# KiCad board cda-pcb.kicad_pcb (continued)
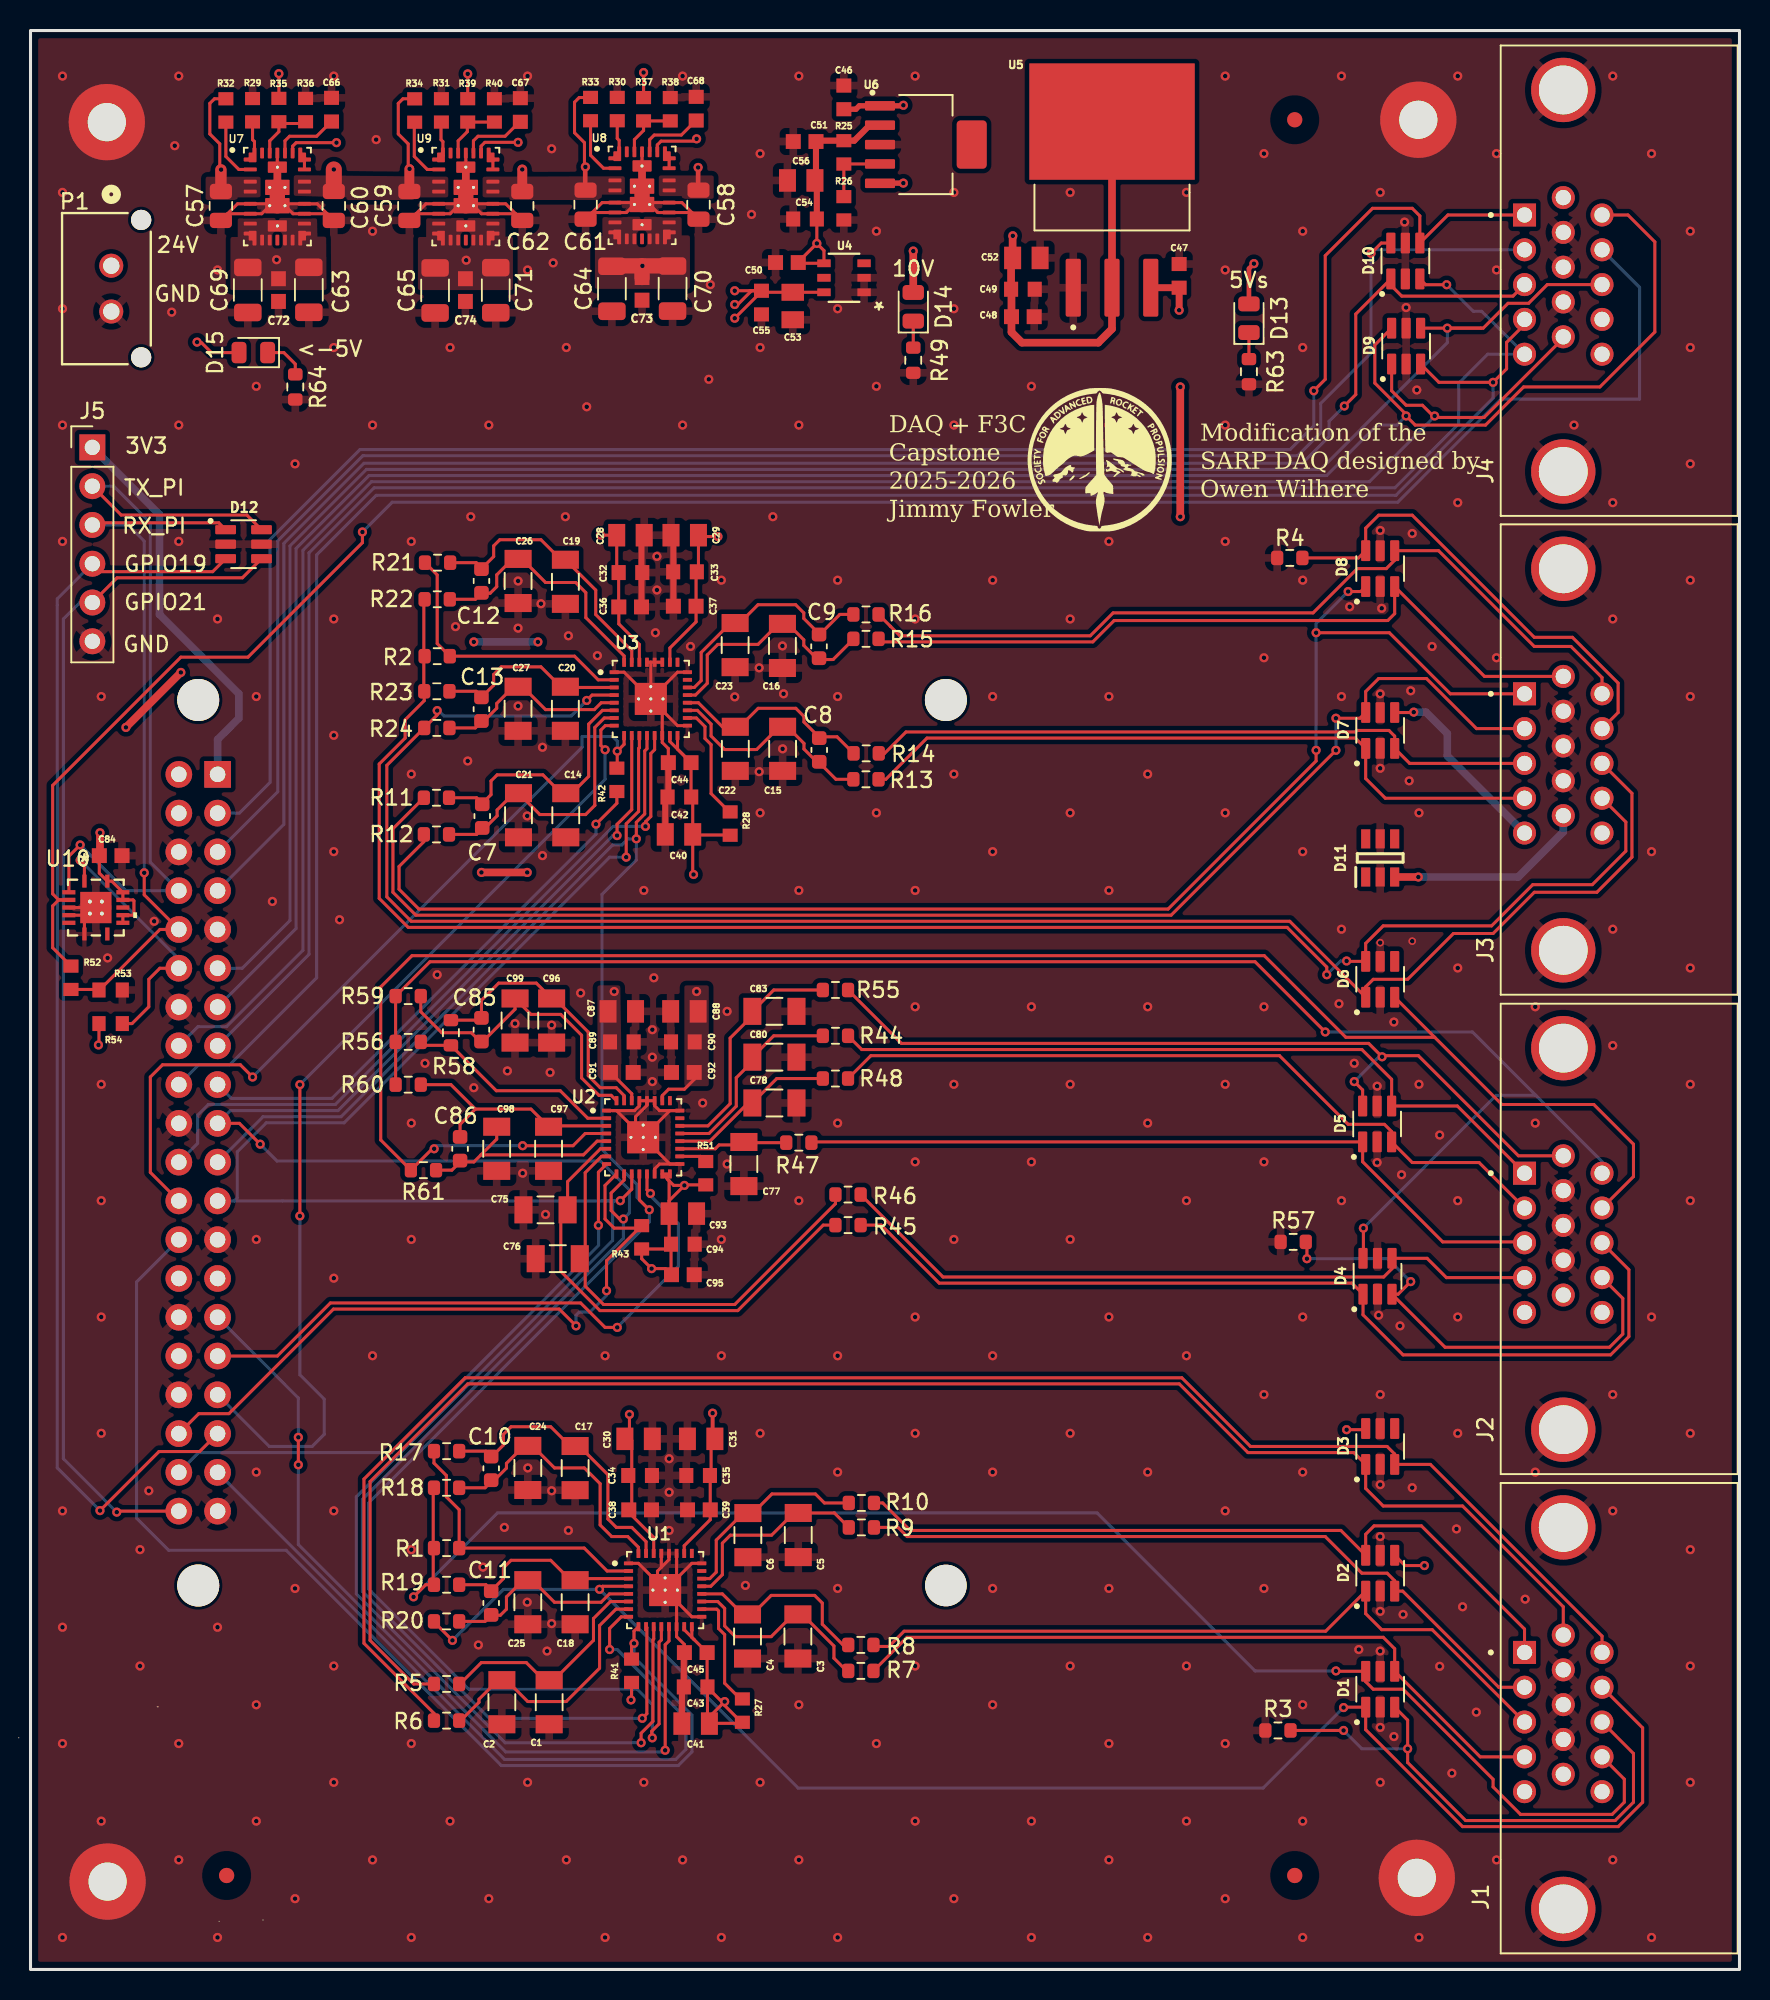
[diagram p0: board, top side]
## Routing (per net, layer and track width the routed paths; a pad name or vN(x,y) marks a point on that pad's centre or on a via; arc(x,y) is an arc through that point) (continued)
/RTD3_L3: length 31.3
  Top w0.2: v1(83.65,46.56) 83.65,47.53 83.55,47.63 R57.1 ; J2.14 104.35,43.96 104.35,41.62 103.49,40.76 92.7,40.76 D4.3 89.63,44.23 v1(90.45,45.06)
  Bottom w0.2: v1(83.65,46.56) 88.95,46.56 v1(90.45,45.06)
/RX_PI: length 47.9
  Top w0.2: J5.3 4.19,94.76 12.34,94.76 D12.1 ; v1(7.45,71.83) 7.45,70.39 RP1.10 8.48,68.12 4.55,64.19 4.45,64.19 ; R52.1 4.45,64.19 ; 4.45,64.19 R53.1
  Bottom w0.2: v1(7.45,71.83) 7.45,93.56 6.39,94.62 J5.3
/SCLK: length 138.9
  Top w0.2: 40.84,22.44 40.84,21.65 40.79,21.6 40.79,16.25 40.02,15.47 v1(40.02,14.85) ; U2.11 39.4,51.11 v1(38.65,50.36) ; v1(39.04,72.86) 39.04,75.04 39.85,75.85 39.85,79.98 39.9,80.03 U3.11
  Bottom w0.2: v1(40.02,14.85) 31.1,14.85 21.35,24.6 21.35,30.96 38.15,47.76 38.15,50.34 ; 38.64,50.34 13.35,50.34 ; 38.64,50.34 38.15,50.34 ; 38.64,50.34 v1(38.65,50.36) ; 37.44,50.34 38.15,50.34 ; 13.35,50.34 13.55,50.54 13.55,53.56 15.45,55.46 20.55,55.46 37.95,72.86 v1(39.04,72.86) ; 13.35,50.34 RP1.23 12.26,51.16
/START_SYNC1: length 64.9
  Top w0.2: v1(17.65,57.96) v1(17.65,49.36) ; v1(37.66,79.89) 37.38,80.16 37.38,81.18 37.67,81.47 U3.8
  Bottom w0.2: v1(17.65,57.96) 37.66,77.96 v1(37.66,79.89) ; RP1.33 12.27,37.64 15.65,34.26 18.45,34.26 19.25,35.06 19.25,37.36 17.65,38.96 v1(17.65,49.36)
/START_SYNC2: length 50.6
  Top w0.2: v1(37.95,20.96) 37.95,22.34 38.71,23.09 39.19,23.09
  Bottom w0.2: RP1.37 31.07,13.76 42.29,13.76 42.95,14.42 42.95,16.46 38.45,20.96 v1(37.95,20.96)
/START_SYNC3: length 39.2
  Top w0.2: U2.8 37.22,52.22 v1(37.22,48.74)
  Bottom w0.2: v1(37.22,48.74) 37.23,48.73 37.23,47.44 23.65,33.86 11.02,33.86 RP1.38
/TX_ENABLE: length 17.5
  Top w0.2: U10.1 3.53,72.37 v1(3.25,72.66) ; R54.1 6.65,61.96 7.75,63.06 7.75,64.86 8.48,65.58 RP1.12
  Bottom w0.2: RP1.12 9.72,66.19 v1(3.25,72.66)
/TX_PI: length 53.3
  Top w0.2: 2.23,70.56 U10.2 2.51,72.92 v1(3.25,73.66) ; J5.2 5.94,95.27 14.18,95.27 D12.6
  Bottom w0.2: v1(3.25,73.66) 6.25,70.66 RP1.8 7.85,72.53 7.85,94.76 5.45,97.16 J5.2
Net-(D13-K): length 1.7
  Top w0.2: D13.1 R63.1
Net-(D14-K): length 1.7
  Top w0.2: D14.1 R49.1
Net-(D15-K): length 2.8
  Top w0.2: D15.1 16.6,105.91 17.35,105.16 R64.1
Net-(U1-AIN0): length 17
  Top w0.2: U1.7 38.37,23.6 37.29,22.53 37.29,19.74 35.11,17.55 32.59,17.55 31.19,18.95 C2.1 30.64,18.95 29.39,17.7 29.39,17.5 28.19,16.3 28.14,16.3
Net-(U1-AIN1): length 15.1
  Top w0.2: 28.14,18.7 29.54,20.1 32.49,20.1 33.64,18.95 C1.1 34.29,18.95 36.89,21.56 36.89,22.99 38.01,24.1 U1.6
Net-(U1-AIN2): length 13
  Top w0.2: C25.1 32.89,25.5 34.34,24.05 37.39,24.05 37.94,24.6 U1.5 ; 30.3,23.2 30.79,23.2 31.19,23.6 31.19,24.4 32.29,25.5 ; 30.19,23.2 29.79,22.8 28.19,22.8
Net-(U1-AIN4): length 12.3
  Top w0.2: 35.39,25.5 34.09,26.8 31.49,26.8 30.99,26.3 30.99,25.6 30.47,25.08 ; U1.3 35.79,25.6 C18.1 ; 30.19,24.86 29.85,25.2 28.19,25.2
Net-(U1-GPIO0_AIN8): length 12.6
  Top w0.2: C6.1 46.71,29.89 44.94,28.12 44.94,26.03 44.52,25.6 U1.22 ; 47.64,30.2 48.59,31.14 51.44,31.14 52.03,30.56 R10.2
Net-(U1-GPIO1_AIN9): length 13.2
  Top w0.2: U1.21 44.58,25.1 45.34,25.86 45.34,27.92 45.86,28.44 48.56,28.44 50.02,29.9 C5.1 52.68,29.9 R9.2
Net-(U1-GPIO2_AIN10): length 12.4
  Top w0.2: U1.20 45.34,24.6 46.69,23.25 C4.1 ; 47.6,23.25 47.6,23.55 48.54,24.5 51.39,24.5 51.89,24 51.89,22.62 53.25,21.26 R8.2
Net-(U1-GPIO3_AIN11): length 13.8
  Top w0.2: R7.2 53.49,19.56 52.65,20.39 52.65,21.19 50.59,23.25 C3.1 50,23.25 48.54,21.8 46.19,21.8 45.49,22.5 45.49,23.65 45.04,24.1 U1.19
Net-(U1-REFN1_AIN7): length 18.3
  Top w0.2: 28.19,33.95 29.85,33.95 30.19,33.61 ; C17.1 35.96,34.28 ; 35.99,33.97 36.28,33.97 37.84,32.4 37.84,29.5 38.39,28.95 39.41,28.95 40.34,28.02 40.34,27.25 ; 35.39,34.25 34.09,35.55 31.49,35.55 30.99,35.05 30.99,34.35 30.47,33.83
Net-(U1-REFP1_AIN6): length 17.3
  Top w0.2: 28.19,31.55 29.79,31.55 30.19,31.95 ; 30.3,31.95 31.19,32.84 31.19,33.15 32.29,34.25 ; U1.32 39.84,27.65 39.14,28.35 38.09,28.35 37.33,29.11 37.33,31.82 36.3,32.85 34.34,32.85 32.9,34.29 C24.1
Net-(U1-RESET_N): length 7.7
  Top w0.2: 46.64,17.7 46.59,17.65 45.49,18.75 45.49,21.93 45.09,22.33 45.09,23.48 44.97,23.6 U1.18
Net-(U2-AIN0): length 29.5
  Top w0.2: U2.7 37.42,53.26 36.35,52.19 36.35,44.76 37.55,43.56 46.15,43.56 52.75,50.16 R46.2
Net-(U2-AIN1): length 30.9
  Top w0.2: U2.6 37.35,53.76 35.2,51.6 C75.1 34.75,49.31 34.75,45.72 37.32,43.16 46.35,43.16 51.95,48.76 R45.2
Net-(U2-AIN2): length 14.6
  Top w0.2: U2.5 37.14,54.26 36.24,53.36 29.52,53.36 ; R61.1 27.61,52.36 28.15,52.89 29.06,52.89 29.52,53.36 ; 29.52,53.36 30.55,54.39 C98.1 30.3,55.46
Net-(U2-AIN4): length 15.7
  Top w0.2: 34.11,55.36 C97.1 ; C97.1 34.01,55.26 U2.3 ; C97.1 32.8,56.36 29.15,56.36 ; 29.15,56.36 27.55,57.96 R60.1 ; 29.15,56.36 28.15,55.36 28.15,54.62
Net-(U2-GPIO0_AIN8): length 16
  Top w0.2: U2.22 44.4,55.26 45.85,56.71 45.85,61 47.31,62.46 C83.1 48.71,64.16 51.85,64.16 52.07,63.94
Net-(U2-GPIO1_AIN9): length 13.3
  Top w0.2: U2.21 44.46,54.76 46.25,56.54 46.25,58.41 47.31,59.46 C80.1 48.71,61.16 R44.2
Net-(U2-GPIO2_AIN10): length 11.1
  Top w0.2: R48.2 48.91,58.36 C78.1 47.03,56.76 44.53,54.26 U2.20
Net-(U2-GPIO3_AIN11): length 7.2
  Top w0.2: U2.19 44.87,53.76 45.12,54.01 46.56,54.01 C77.1 46.8,54.16 R47.2
Net-(U2-REFN1_AIN7): length 17.8
  Top w0.2: C96.1 33.15,64.61 30.68,64.61 29.55,63.48 29.55,62.42 29.41,62.42 29.18,62.18 R58.1 ; U2.31 38.9,57.24 38.39,57.76 37.34,57.76 36.55,58.54 36.55,61.4 34.35,63.6
Net-(U2-REFP1_AIN6): length 21.4
  Top w0.2: 31.69,63.94 31.35,63.6 ; 25.71,63.89 R59.1 25.58,62.73 26.95,61.36 28.89,61.36 29.55,60.69 31.75,62.89 C99.1 32.8,62.56 34.75,62.56 36.11,61.19 36.11,58.39 37.25,57.26 38.05,57.26 U2.32
Net-(U2-RESET_N): length 1.9
  Top w0.2: U2.18 43.92,53.26 R51.1 44.25,53.02
Net-(U3-AIN0): length 18.3
  Top w0.2: 27.48,74.35 29.23,74.35 29.6,74.72 29.73,74.72 30.58,75.56 30.58,75.95 31.68,77.05 C21.1 33.38,75.65 36.38,75.65 36.98,76.25 ; 36.98,76.25 36.98,81.35 37.6,81.97 U3.7 ; 36.98,76.25 36.98,76.24
Net-(U3-AIN1): length 17
  Top w0.2: 27.48,76.75 29.23,76.75 29.6,76.37 30.18,76.95 30.18,77.85 30.58,78.25 33.58,78.25 34.78,77.05 C14.1 35.48,77.05 36.58,78.15 36.58,81.57 37.48,82.47 U3.6
Net-(U3-AIN2): length 12.8
  Top w0.2: 27.55,81.32 29.15,81.32 29.55,81.72 29.66,81.72 30.55,82.61 30.55,82.92 31.65,84.02 C27.1 32.25,84.02 33.75,82.52 36.95,82.52 37.4,82.97 U3.5
Net-(U3-AIN4): length 12.3
  Top w0.2: 29.75,83.38 29.64,83.38 ; 27.55,83.72 29.21,83.72 29.55,83.38 ; 29.78,83.6 29.84,83.6 30.35,84.12 30.35,84.82 30.85,85.32 33.45,85.32 34.75,84.02 34.95,84.02 ; C20.1 35.1,83.97 U3.3
Net-(U3-GPIO0_AIN8): length 15.2
  Top w0.2: R16.2 53.04,88.76 51.78,87.49 ; 51.68,87.49 50.68,88.49 50.68,88.86 50.14,89.39 47.68,89.39 46.57,88.28 ; C23.1 45.88,88.19 43.95,86.27 43.95,84.42 43.5,83.97 U3.22
Net-(U3-GPIO1_AIN9): length 15.3
  Top w0.2: 51.78,85.84 51.74,85.8 51.68,85.8 52.6,85.8 53.93,87.13 R15.2 ; 51.57,85.84 50.68,86.72 50.68,87.09 49.59,88.18 ; U3.21 43.58,83.47 44.35,84.25 44.35,86.1 45.04,86.79 47.68,86.79 49.02,88.14 C16.1
Net-(U3-GPIO2_AIN10): length 13.2
  Top w0.2: R14.2 52.86,80.74 51.69,80.74 ; U3.20 43.77,82.97 45.34,81.4 C22.1 ; 51.69,80.71 50.69,81.71 50.69,82.07 50.15,82.61 47.69,82.61 46.58,81.5 46.58,81.4
Net-(U3-GPIO3_AIN11): length 14.7
  Top w0.2: R13.2 52.78,77.96 51.69,79.05 51.58,79.05 50.69,79.94 50.69,80.31 49.6,81.4 C15.1 49.08,81.4 47.59,79.91 45.49,79.91 44.6,80.79 44.6,81.57 43.7,82.47 U3.19
Net-(U3-REFN1_AIN7): length 17.5
  Top w0.2: 27.55,92.15 29.21,92.15 29.55,91.8 ; U3.31 39.4,86.39 37.04,88.75 37.04,90.35 C19.1 ; 29.78,91.77 29.78,91.97 30.35,92.55 30.35,93.25 30.75,93.65 33.45,93.65 34.65,92.45 34.85,92.45
Net-(U3-REFP1_AIN6): length 16.5
  Top w0.2: 29.67,90.15 30.13,90.15 30.55,90.57 30.55,91.35 31.65,92.45 ; 29.55,90.15 29.15,89.75 27.55,89.75 ; U3.32 38.9,86.04 36.39,88.55 36.39,90.18 35.73,90.85 33.75,90.85 32.21,92.39 C26.1
Net-(U3-RESET_N): length 7.6
  Top w0.2: U3.18 43.64,81.97 44.2,81.41 44.2,80.63 44.6,80.23 44.6,77.02 45.75,75.87 45.75,75.84
Net-(U7-CBOOT): length 0.6
  Top w0.2: U7.20 U7.21
Net-(U7-EN/SYNC): length 4.1
  Top w0.2: U7.2 13.65,117.9 12.8,118.75 12.8,120.89
Net-(U7-FB): length 3.9
  Top w0.2: U7.25 15.68,119.78 16.28,120.38 16.28,120.91 18.03,120.91
Net-(U7-RT): length 2.5
  Top w0.2: U7.1 14.68,118.83 14.68,119.73 14.55,119.85 14.55,120.9
Net-(U7-VCC): length 4.3
  Top w0.2: 19.73,120.93 19.6,120.93 18.75,120.08 16.98,120.08 16.68,119.78 U7.23
Net-(U8-CBOOT): length 0.7
  Top w0.2: U8.20 U8.21
Net-(U8-EN/SYNC): length 4.1
  Top w0.2: 36.7,120.97 36.7,118.83 37.55,117.98 U8.2
Net-(U8-FB): length 3.9
  Top w0.2: R37.1 R38.2 ; 40.18,120.99 40.18,120.46 39.58,119.86 U8.25
Net-(U8-RT): length 2.1
  Top w0.2: 38.58,118.91 38.58,119.81 38.45,119.93 38.45,120.98
Net-(U8-VCC): length 4.2
  Top w0.2: 43.5,121.01 42.65,120.16 40.88,120.16 40.58,119.86 U8.23
Net-(U9-CBOOT): length 0.6
  Top w0.2: U9.20 U9.21
Net-(U9-EN/SYNC): length 4.1
  Top w0.2: U9.2 26,117.9 25.15,118.75 25.15,120.89
Net-(U9-FB): length 3.9
  Top w0.2: R39.1 R40.2 ; 28.63,120.91 28.63,120.38 28.03,119.78 U9.25
Net-(U9-RT): length 2.5
  Top w0.2: U9.1 27.03,118.83 27.03,119.73 26.9,119.85 26.9,120.9
Net-(U9-VCC): length 4.2
  Top w0.2: U9.23 29.03,119.78 29.33,120.08 31.1,120.08 31.95,120.93

## Copper pours and planes (outline as drawn; the poured copper is in the pictures)
+5V on Top: 18.8,113.5 19.38,113.5 19.4,110 13.1,110 13.1,113.48 13.58,113.48 13.58,114.73 18.78,114.73 ; 1 cut-out
+5V REF on Top: 37.15,64.46 38.65,64.46 38.75,58.16 37.45,58.16 37.15,58.56
+5Vs on Top: 44.45,64.46 44.45,57.86 42.85,57.86 42.85,64.46
+6V on Top: 31.13,113.5 31.61,113.5 31.61,110 25.39,110 25.39,113.48 25.93,113.48 25.93,114.73 31.13,114.73 ; 1 cut-out
+11V on Top: 42.68,113.58 43.21,113.58 43.21,110.08 36.99,110.08 36.99,113.56 37.48,113.56 37.48,114.81 42.68,114.81 ; 1 cut-out
+24V on Top: 11.48,117.43 15.08,117.43 15.08,116.08 13.58,116.08 13.58,115.9 11.48,115.9
+24V on Top: 44.78,117.51 41.18,117.51 41.18,116.16 42.68,116.16 42.68,115.98 44.78,115.98
+24V on Top: 38.95,117.46 29.63,117.43 29.63,116.08 31.38,116.08 31.38,115.9 37.43,115.9 37.45,116.26 38.95,116.26
+24V on Top: 27.38,117.43 17.25,117.53 17.25,116.18 20.7,116.08 20.7,115.9 25.15,115.9 25.15,116.08 27.38,116.08
GND on Top, Bottom, In1.Cu, In2.Cu: 113.15,128.33 113.35,-0.84 -1.65,-1.84 -1.15,127.88

## Text on the board
B.Silkscreen: EL | KM | PR | GL | JF | Controls & Electronics Team: / Elyse Lian, Grace Lovell, Jimmy Fowler, / Keira Morrissey, Prabhav Rawat
F.Silkscreen: 3V3 | GND | TX_PI | RX_PI | GPIO19 | GPIO21 | 24V | <-5V | 10V | 5Vs | DAQ + F3C / Capstone / 2025-2026 / Jimmy Fowler | Modification of the / SARP DAQ designed by / Owen Wilhere
